# Altium PCB LimeSDR-X3_1v0.PcbDoc (part 20 of 25) (continued)
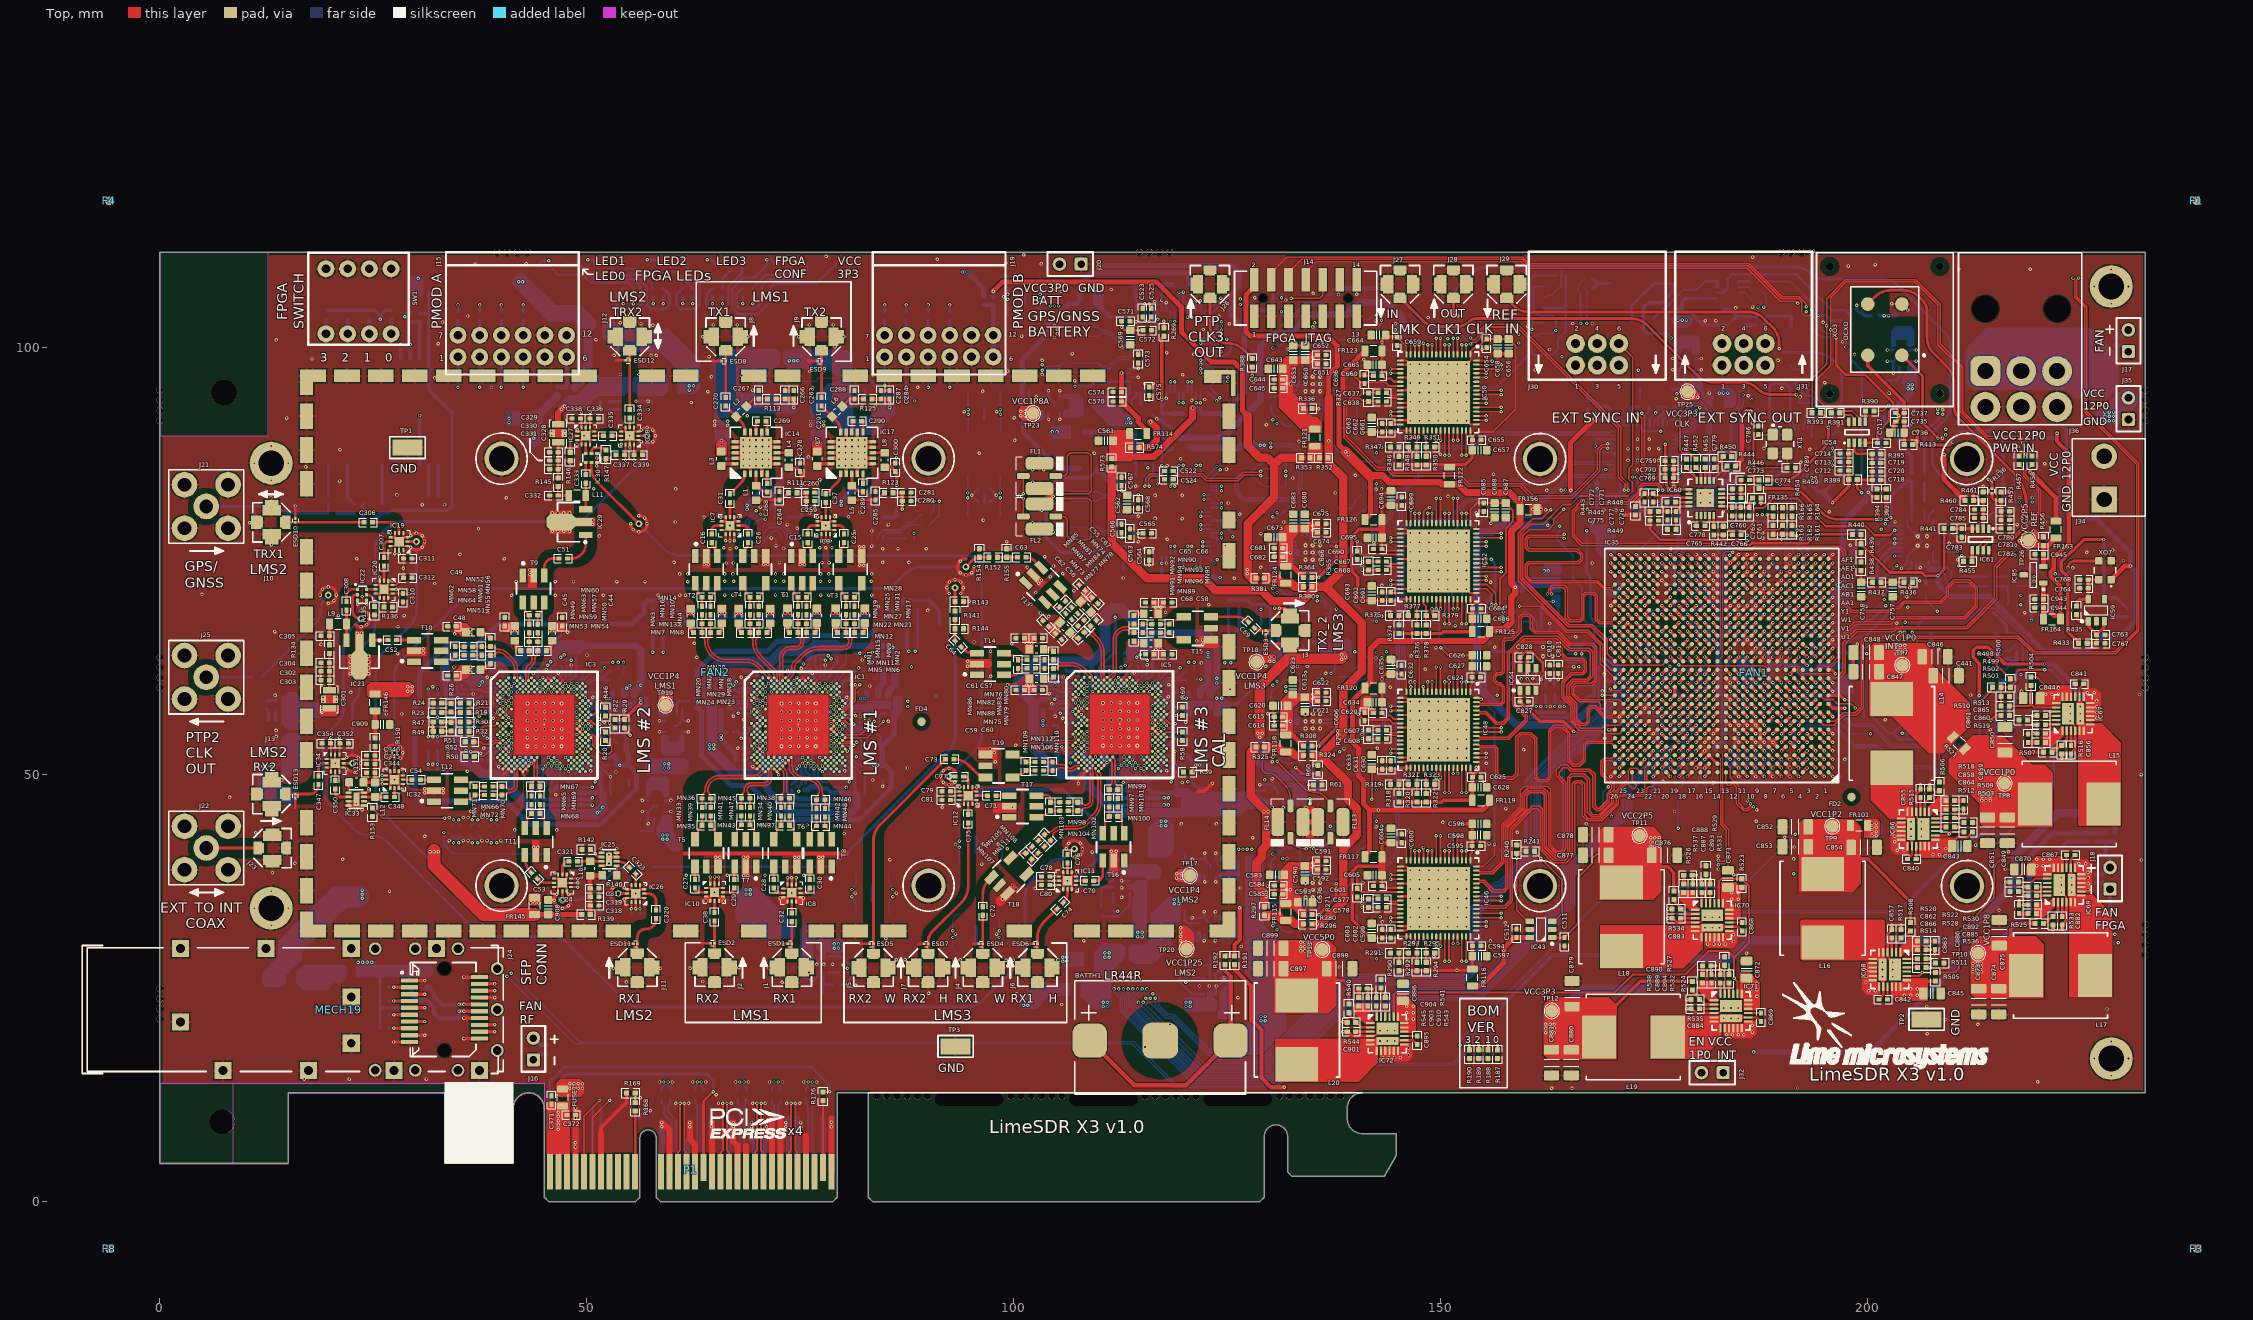
[diagram p0: Top view]
## Nets (pads, with @x,y where several pads share a name; then routed paths per layer and width w, separated by ;. In a path a pad name is that pad's centre, name@x,y a point inside that pad or via, vN(x,y) a via of type N, cw(c..) or ccw(c..) an arc to the next point about the centre after c; other vN are vias at no path point) (continued)
  Bottom w0.25: C366.2@62.65,12.95 62.65,13.4 62.9,13.65 v1(62.9,14)
PCIE_HSI0_IC_P: C365.2 IC35.D10 | length 146.6
  Top w0.4: IC35.D10@186.375,53.275 v1(186.875,52.775)
  L3 w0.1: v1(63.4,14) 63.4,13.941 63.25,13.791 63.25,13.45 63.45,13.25 63.975,13.25 64.5,13.775 64.5,14.425 67.8,17.725 137.55,17.725 143.425,23.6 160.536,23.6 174.836,37.9 177.467,37.9 185.275,45.708 185.275,49.117 185.275,52.033 185.617,52.375 186.475,52.375 v1(186.875,52.775)
  Bottom w0.25: v1(63.4,14) 63.4,13.65 63.65,13.4 C365.2@63.65,12.95
PCIE_HSI0_N: C365.1 P1.A17 | length 8.7
  Bottom w0.25: P1.A17@63.65,3.5 63.65,5.75 63.4,6 63.4,11.25 63.65,11.5 C365.1@63.65,11.95
PCIE_HSI0_P: C366.1 P1.A16 | length 8.7
  Bottom w0.25: P1.A16@62.65,3.5 62.65,5.75 62.9,6 62.9,11.25 62.65,11.5 C366.1@62.65,11.95
PCIE_HSI1_IC_N: C364.2 IC35.A9 | length 146.7
  Top w0.4: IC35.A9@187.375,50.275 v1(187.875,49.775)
  L3 w0.1: v1(67.9,14) 67.9,13.941 68.05,13.791 68.05,12.492 68.442,12.1 69.058,12.1 69.475,12.517 69.475,15.817 70.058,16.4 139.383,16.4 142.333,19.35 158.458,19.35 175.308,36.2 179.058,36.2 179.833,36.975 180.715,36.975 180.741,36.975 181.125,37.359 181.125,39.6 184.65,43.125 186.89,43.125 187.9,44.135 187.9,44.507 187.525,44.882 187.525,45.3 187.9,45.675 187.9,45.925 187.525,46.3 187.525,46.55 187.925,46.95 187.925,47.2 187.525,47.6 187.525,47.92 187.75,48.145 187.75,48.4 187.525,48.625 187.525,49.425 v1(187.875,49.775)
  Bottom w0.25: C364.2@67.65,12.95 67.65,13.4 67.9,13.65 v1(67.9,14)
PCIE_HSI1_IC_P: C363.2 IC35.B9 | length 146
  Top w0.4: IC35.B9@187.375,51.275 v1(187.875,50.775)
  L3 w0.1: v1(68.4,14) 68.4,13.941 68.25,13.791 68.25,12.575 68.525,12.3 68.975,12.3 69.275,12.6 69.275,15.9 69.975,16.6 139.3,16.6 142.25,19.55 148.717,19.55 158.375,19.55 175.225,36.4 178.975,36.4 179.75,37.175 180.659,37.175 180.925,37.441 180.925,39.683 184.567,43.325 186.807,43.325 187.325,43.843 187.325,49.72 187.875,50.27 v1(187.875,50.775)
  Bottom w0.25: v1(68.4,14) 68.4,13.65 68.65,13.4 C363.2@68.65,12.95
PCIE_HSI1_N: C363.1 P1.A22 | length 8.7
  Bottom w0.25: P1.A22@68.65,3.5 68.65,5.75 68.4,6 68.4,11.25 68.65,11.5 C363.1@68.65,11.95
PCIE_HSI1_P: C364.1 P1.A21 | length 8.7
  Bottom w0.25: P1.A21@67.65,3.5 67.65,5.75 67.9,6 67.9,11.25 67.65,11.5 C364.1@67.65,11.95
PCIE_HSI2_IC_N: C362.2 IC35.C8 | length 148.2
  Top w0.4: IC35.C8@188.375,52.275 v1(188.875,51.775)
  L3 w0.1: v1(71.9,14) 71.9,14.059 72.05,14.209 72.05,14.95 72.6,15.5 160,15.5 179.375,34.875 182.616,34.875 182.825,35.084 182.825,36.933 183.225,37.333 183.342,37.45 183.992,37.45 184.7,38.158 184.7,41.858 185.167,42.325 186.008,42.325 186.425,41.908 186.675,41.658 186.675,41.108 186.958,40.825 187.525,40.825 188.525,41.825 188.525,48.233 189.3,49.008 189.3,51.133 189.517,51.35 190.1,51.35 190.3,51.55 190.3,51.95 190.075,52.175 189.275,52.175 v1(188.875,51.775)
  Bottom w0.25: C362.2@71.65,12.95 71.65,13.4 71.9,13.65 v1(71.9,14)
PCIE_HSI2_IC_P: C361.2 IC35.D8 | length 148.5
  Top w0.4: IC35.D8@188.375,53.275 v1(188.875,52.775)
  L3 w0.1: v1(72.4,14) 72.4,14.059 72.25,14.209 72.25,14.867 72.683,15.3 160.083,15.3 179.458,34.675 182.699,34.675 183.025,35.001 183.025,36.85 183.425,37.25 184.075,37.25 184.9,38.075 184.9,41.775 185.25,42.125 185.925,42.125 186.475,41.575 186.475,41.025 186.875,40.625 187.608,40.625 188.725,41.742 188.725,48.15 189.5,48.925 189.5,51.05 189.6,51.15 190.183,51.15 190.5,51.467 190.5,52.033 190.158,52.375 189.275,52.375 v1(188.875,52.775)
  Bottom w0.25: v1(72.4,14) 72.4,13.65 72.65,13.4 C361.2@72.65,12.95
PCIE_HSI2_N: C361.1 P1.A26 | length 8.7
  Bottom w0.25: P1.A26@72.65,3.5 72.65,5.75 72.4,6 72.4,11.25 72.65,11.5 C361.1@72.65,11.95
PCIE_HSI2_P: C362.1 P1.A25 | length 8.7
  Bottom w0.25: P1.A25@71.65,3.5 71.65,5.75 71.9,6 71.9,11.25 71.65,11.5 C362.1@71.65,11.95
PCIE_HSI3_IC_N: C360.2 IC35.A7 | length 145.8
  Top w0.4: IC35.A7@189.375,50.275 v1(189.875,49.775)
  L3 w0.1: v1(75.9,14) 75.9,14.059 76.05,14.209 76.05,14.533 76.417,14.9 160.677,14.9 179.749,33.972 183.155,33.972 185.089,33.972 186.8,35.683 186.8,36.4 186.625,36.575 185.617,36.575 185.225,36.967 185.225,37.708 185.592,38.075 185.892,38.375 189.1,38.375 189.5,38.775 189.5,39.125 188.625,40 188.625,40.758 189.4,41.533 189.4,43.108 190.025,43.733 190.025,44.325 189.225,45.125 189.225,47.075 189.225,47.333 189.592,47.7 189.85,47.7 191.05,47.7 191.275,47.925 191.275,49.975 191.075,50.175 190.275,50.175 v1(189.875,49.775)
  Bottom w0.25: C360.2@75.65,12.95 75.65,13.4 75.9,13.65 v1(75.9,14)
PCIE_HSI3_IC_P: C359.2 IC35.B7 | length 146.1
  Top w0.4: IC35.B7@189.375,51.275 v1(189.875,50.775)
  L3 w0.1: v1(76.4,14) 76.4,14.059 76.25,14.209 76.25,14.45 76.5,14.7 160.76,14.7 179.832,33.772 185.172,33.772 187,35.6 187,36.175 187,36.483 186.708,36.775 186.4,36.775 185.7,36.775 185.425,37.05 185.425,37.625 185.975,38.175 189.183,38.175 189.7,38.692 189.7,39.208 189.475,39.433 188.825,40.083 188.825,40.675 189.6,41.45 189.6,43.025 190.225,43.65 190.225,44.408 189.425,45.208 189.425,47.25 189.675,47.5 191.133,47.5 191.475,47.842 191.475,50.058 191.158,50.375 190.275,50.375 v1(189.875,50.775)
  Bottom w0.25: v1(76.4,14) 76.4,13.65 76.65,13.4 C359.2@76.65,12.95
PCIE_HSI3_N: C359.1 P1.A30 | length 8.7
  Bottom w0.25: P1.A30@76.65,3.5 76.65,5.75 76.4,6 76.4,11.25 76.65,11.5 C359.1@76.65,11.95
PCIE_HSI3_P: C360.1 P1.A29 | length 8.7
  Bottom w0.25: P1.A29@75.65,3.5 75.65,5.75 75.9,6 75.9,11.25 75.65,11.5 C360.1@75.65,11.95
PCIE_HSO0_N: IC35.C12 P1.B15 | length 155.1
  Top w0.25: v1(61.4,11.5) 61.4,6 61.65,5.75 P1.B15@61.65,3.5
  Top w0.4: IC35.C12@184.375,52.275 v1(184.875,51.775)
  L3 w0.1: v1(61.4,11.5) 61.4,11.559 61.25,11.709 61.25,13.75 65.95,18.45 135.283,18.45 140.683,23.85 159.825,23.85 174.425,38.45 177.5,38.45 184.525,45.475 184.525,45.785 184.9,46.16 184.9,46.507 184.525,46.882 184.525,47.3 184.9,47.675 184.9,47.925 184.525,48.3 184.525,48.55 184.925,48.95 184.925,49.2 184.525,49.6 184.525,49.92 184.75,50.145 184.75,50.4 184.525,50.625 184.525,51.425 v1(184.875,51.775)
PCIE_HSO0_P: IC35.D12 P1.B14 | length 155.1
  Top w0.25: P1.B14@60.65,3.5 60.65,5.75 60.9,6 v1(60.9,11.5)
  Top w0.4: IC35.D12@184.375,53.275 v1(184.875,52.775)
  L3 w0.1: v1(60.9,11.5) 60.9,11.559 61.05,11.709 61.05,13.833 65.867,18.65 135.2,18.65 140.6,24.05 159.742,24.05 174.342,38.65 177.417,38.65 184.325,45.558 184.325,51.72 184.875,52.27 v1(184.875,52.775)
PCIE_HSO1_N: IC35.A13 P1.B20 | length 151.9
  Top w0.15: IC35.A13@183.375,50.275 183.375,49 183.6,48.775 183.875,48.775 184.025,48.925 184.246,48.925 184.6,48.571 184.6,46.585 185.435,45.75 185.935,45.75 186.379,46.194 186.556,46.194 v1(186.604,46.241)
  Top w0.25: v1(66.4,11.5) 66.4,6 66.65,5.75 P1.B20@66.65,3.5
  L3 w0.1: v1(66.4,11.5) 66.4,11.559 66.25,11.709 66.25,13.734 69.466,16.95 138.833,16.95 142.383,20.5 147.6,20.5 149.375,22.275 160.433,22.275 175.158,37 177.808,37 186,45.192 186,45.85 186.35,46.2 186.562,46.2 v1(186.604,46.241)
PCIE_HSO1_P: IC35.B13 P1.B19 | length 152
  Top w0.15: IC35.B13@183.375,51.275 183.85,50.8 183.85,49.675 184.85,48.675 184.85,46.689 185.539,46 185.832,46 186.202,46.37 186.202,46.547 v1(186.25,46.595)
  Top w0.25: P1.B19@65.65,3.5 65.65,5.75 65.9,6 v1(65.9,11.5)
  L3 w0.1: v1(65.9,11.5) 65.9,11.559 66.05,11.709 66.05,13.817 69.383,17.15 138.75,17.15 142.3,20.7 147.517,20.7 149.292,22.475 160.35,22.475 175.075,37.2 177.725,37.2 185.8,45.275 185.8,45.933 186.209,46.341 186.209,46.554 v1(186.25,46.595)
PCIE_HSO2_N: IC35.C14 P1.B24 | length 150
  Top w0.1: IC35.C14@182.375,52.275 182.775,51.875 182.775,49.05 182.75,49.025
  Top w0.15: v1(182.491,39.95) 182.559,39.95 182.684,39.825 183.1,39.825 183.425,40.15 183.425,43.496 182.75,44.171 182.75,49.025
  Top w0.25: v1(70.4,11.5) 70.4,6 70.65,5.75 P1.B24@70.65,3.5
  L3 w0.1: v1(70.4,11.5) 70.4,11.559 70.25,11.709 70.25,14.042 72.108,15.9 140.325,15.9 142.093,17.667 142.275,17.85 144.975,17.85 145.8,18.675 158.908,18.675 175.708,35.475 179.283,35.475 180.133,36.325 181.15,36.325 183.575,38.75 183.575,39.483 183.258,39.8 182.7,39.8 182.55,39.95 v1(182.491,39.95)
PCIE_HSO2_P: IC35.D14 P1.B23 | length 151.1
  Top w0.1: IC35.D14@182.375,53.275 182.975,52.675 182.975,49.05 183,49.025
  Top w0.15: v1(182.491,39.45) 182.559,39.45 182.684,39.575 183.204,39.575 183.675,40.046 183.675,43.6 183,44.275 183,49.025
  Top w0.25: P1.B23@69.65,3.5 69.65,5.75 69.9,6 v1(69.9,11.5)
  L3 w0.1: v1(69.9,11.5) 69.9,11.559 70.05,11.709 70.05,14.125 72.025,16.1 140.243,16.1 142.01,17.867 142.193,18.05 144.892,18.05 145.717,18.875 158.825,18.875 175.625,35.675 179.2,35.675 180.05,36.525 181.067,36.525 183.375,38.833 183.375,39.4 183.175,39.6 182.7,39.6 182.55,39.45 v1(182.491,39.45)
PCIE_HSO3_N: IC35.A11 P1.B28 | length 161.2
  Top w0.25: v1(74.4,11.5) 74.4,6 74.65,5.75 P1.B28@74.65,3.5
  Top w0.4: IC35.A11@185.375,50.275 v1(185.875,49.775)
  L3 w0.1: v1(74.4,11.5) 74.4,11.441 74.25,11.291 74.25,10.8 74.45,10.6 75.017,10.6 78.642,14.225 161.417,14.225 178.392,31.2 183.042,31.2 190.7,38.858 190.7,46.325 192.3,47.925 192.3,50.975 192.1,51.175 191.625,51.175 191.275,51.525 191.275,52.275 190.9,52.65 190.542,52.65 190.017,53.175 187.675,53.175 187.525,53.025 187.525,50.542 187.158,50.175 186.275,50.175 v1(185.875,49.775)
PCIE_HSO3_P: IC35.B11 P1.B27 | length 162.2
  Top w0.25: P1.B27@73.65,3.5 73.65,5.75 73.9,6 v1(73.9,11.5)
  Top w0.4: IC35.B11@185.375,51.275 v1(185.875,50.775)
  L3 w0.1: v1(73.9,11.5) 73.9,11.441 74.05,11.291 74.05,10.717 74.367,10.4 75.1,10.4 78.725,14.025 161.5,14.025 178.475,31 182.758,31 183.125,31 190.9,38.775 190.9,46.242 192.5,47.842 192.5,51.058 192.183,51.375 191.708,51.375 191.475,51.608 191.475,52.358 190.983,52.85 190.625,52.85 190.1,53.375 187.592,53.375 187.325,53.108 187.325,50.625 187.075,50.375 186.275,50.375 v1(185.875,50.775)
PCIE_PERSTn: IC35.R23 P1.A11 | length 183
  Top w0.4: v1(172.875,64.775) IC35.R23@173.375,64.275
  L3 w0.1: v1(56.9,10.65) 57.275,11.025 57.275,13.5 63.35,19.575 134.083,19.575 140.333,25.825 159.508,25.825 173.483,39.8 175.656,39.8 183.25,47.394 183.25,49.835 182.825,50.26 182.825,55.025 182.45,55.4 182.45,59.983 182.108,60.325 181.668,60.325 181.425,60.568 181.425,62.558 182.65,63.783 182.65,66.495 182.02,67.125 180.72,67.125 179.92,66.325 178.017,66.325 177.017,65.325 174.486,65.325 174.186,65.025 173.125,65.025 v1(172.875,64.775)
  Bottom w0.325: P1.A11@55.65,3.5 55.65,9.4 v1(56.9,10.65)
PCIE_PRSNT1n: P1.A1 R175.1 R176.1 | length 45.9
  Top w0.325: R176.1@77.65,12.85 v1(78.425,12.85)
  Bottom w0.325: P1.A1@45.65,4 45.65,14.025 47.375,15.75 76.275,15.75 78.425,13.6 v1(78.425,12.85)
PCIE_PRSNT2n_x1: P1.B17 R175.2 | length 30.2
  Top w0.325: P1.B17@63.65,4 63.65,11.75 v1(64.775,12.875)
  Bottom w0.325: R175.2@46.6,13.263 46.6,13.925 47.625,14.95 64.025,14.95 64.775,14.2 v1(64.775,12.875)
PCIE_PRSNT2n_x4: P1.B31 R176.2 | length 7.9
  Top w0.325: P1.B31@77.65,4 R176.2@77.65,11.85
PCIE_REFCLK_IC_N: C358.1 IC35.E11 | length 152.1
  Top w0.4: IC35.E11@185.375,54.275 v1(185.875,53.775)
  L3 w0.1: v1(59.5,14) 59.5,14.059 59.35,14.209 59.35,14.55 63.775,18.975 134.683,18.975 141.058,25.35 160.133,25.35 173.908,39.125 176.083,39.125 182.775,45.817 183.775,46.817 183.775,50.4 183.275,50.9 183.275,55.017 183.433,55.175 184.042,55.175 184.325,54.892 184.325,54.492 184.642,54.175 185.475,54.175 v1(185.875,53.775)
  Bottom w0.25: v1(59.5,14) 59.5,13.65 59.75,13.4 C358.1@59.75,12.95
PCIE_REFCLK_IC_P: C357.1 IC35.F11 | length 152.5
  Top w0.4: IC35.F11@185.375,55.275 v1(185.875,54.775)
  L3 w0.1: v1(59,14) 59,14.059 59.15,14.209 59.15,14.633 63.692,19.175 134.6,19.175 140.975,25.55 160.05,25.55 173.825,39.325 176,39.325 183.575,46.9 183.575,50.317 183.075,50.817 183.075,55.1 183.35,55.375 184.125,55.375 184.525,54.975 184.525,54.575 184.725,54.375 185.475,54.375 v1(185.875,54.775)
  Bottom w0.25: C357.1@58.75,12.95 58.75,13.4 59,13.65 v1(59,14)
PCIE_REFCLK_N: C358.2 P1.A14 | length 9
  Bottom w0.25: C358.2@59.75,11.95 59.75,11.5 59.5,11.25 59.5,10.457 60.4,9.557 60.4,6 60.65,5.75 P1.A14@60.65,3.5
PCIE_REFCLK_P: C357.2 P1.A13 | length 9
  Bottom w0.25: C357.2@58.75,11.95 58.75,11.5 59,11.25 59,10.25 59.9,9.35 59.9,6 59.65,5.75 P1.A13@59.65,3.5
PCIE_SMCLK: IC35.R22 P1.B5 | length 186.7
  Top w0.25: P1.B5@49.65,3.5 49.65,10 v1(51.525,11.875)
  Top w0.4: v1(173.975,64.675) IC35.R22@174.375,64.275
  L3 w0.1: v1(51.525,11.875) 52.2,11.2 55.8,11.2 56.7,12.1 56.7,13.45 63.025,19.775 64.645,19.775 134,19.775 140.25,26.025 159.425,26.025 173.4,40 175.574,40 179.218,43.644 183.05,47.476 183.05,49.733 182.625,50.158 182.625,54.942 182.25,55.317 182.25,59.9 182.025,60.125 181.586,60.125 181.225,60.486 181.225,62.64 182.45,63.865 182.45,65.978 182.103,66.325 180.65,66.325 ; v1@173.875,64.775 174.275,64.775 174.625,65.125 177.1,65.125 178.1,66.125 180.447,66.125 180.647,66.325 180.65,66.325
PCIE_SMDAT: IC35.T23 P1.B6 | length 179.8
  Top w0.25: P1.B6@50.65,3.5 50.65,9.85 v1(52.662,11.862)
  Top w0.4: v1(172.875,65.775) IC35.T23@173.375,65.275
  L3 w0.1: v1(52.662,11.862) 53.737,11.862 62.275,20.4 133.55,20.4 139.675,26.525 158.651,26.525 172.801,40.675 175.683,40.675 182.65,47.642 182.65,49.425 182.225,49.85 182.225,53.93 181.425,54.73 181.425,55.003 181.25,55.178 181.25,59.895 181.02,60.125 180.525,60.125 180.225,60.425 180.225,61.92 179.635,62.51 176.99,62.51 v1(176.825,62.675)
  Bottom w0.15: v1(172.875,65.775) 172.875,65.375 173.4,64.85 173.4,64.543 173.718,64.225 174.1,64.225 174.385,63.94 174.385,63.59 174.625,63.35 176.15,63.35 v1(176.825,62.675)
PCIE_WAKEn: IC35.R18 R168.1 R169.1 | length 170.5
  Top w0.325: R168.1@55.65,11.6 v1(55.65,12.15) R169.1@55.65,12.7
  Top w0.4: v1(177.875,64.775) IC35.R18@178.375,64.275
  L3 w0.1: v1(55.65,12.15) 55.65,13.1 62.75,20.2 133.633,20.2 139.758,26.325 158.734,26.325 172.884,40.475 175.766,40.475 179.135,43.844 182.85,47.559 182.85,49.65 182.425,50.075 182.425,54.73 181.5,55.655 181.5,59.928 181.078,60.35 180.7,60.35 180.425,60.625 180.425,62.123 182.25,63.948 182.25,65.895 182.02,66.125 180.733,66.125 180.73,66.125 180.525,65.92 180.525,64.9 180.05,64.425 178.225,64.425 v1(177.875,64.775)
PD_LMS2_BB_ADC1_DRV: IC35.W14 IC47.14 IC47.20 R280.1 | length 206.1
  Top w0.4: R280.1@134.9,33.6 v1(135.675,33.6) 137.75,35.675 v1(137.75,37.25) ; v1(181.875,68.775) IC35.W14@182.375,68.275
  L8 w0.1: v1(181.875,68.775) 181.475,69.175 181.475,72.87 181.73,73.125 181.75,73.125 182.75,74.125 184.15,74.125 184.45,73.825 184.45,72.705 184.73,72.425 186.042,72.425 187.042,73.425 188.975,73.425 189.375,73.025 189.375,72.78 190.73,71.425 193.02,71.425 193.559,71.964 194.92,73.325 197.65,73.325 201.3,69.675 201.3,68.95 203.025,67.225 204.3,67.225 204.625,66.9 204.625,66.422 204.947,66.1 212.8,66.1 216.3,62.6 216.3,51.825 223.2,44.925 223.2,31.316 217.159,25.275 207.325,25.275 203.275,29.325 200.4,29.325 v1(191.325,38.4)
  L6 w0.1: v1(135.675,33.6) 135.2,33.6 134.525,32.925 134.525,31.55 135.9,30.175 135.9,28.55 141.9,22.55 143.35,22.55 148.2,17.7 170.55,17.7 181.775,28.925 184.025,28.925 185.3,30.2 185.3,32.375 v1(191.325,38.4)
  Bottom w0.254: IC47.14@137,37.25 v1(137.75,37.25)
  Bottom w0.3: v1(135.675,33.6) 135.75,33.675 IC47.20@135.75,34.5
PD_LMS2_BB_ADC2_DRV: IC35.W15 IC49.14 IC49.20 R308.1 | length 195
  Top w0.4: R308.1@134.9,53.35 v1(135.675,53.35) 137.75,55.425 v1(137.75,57) ; v1(180.875,68.775) IC35.W15@181.375,68.275
  L4 w0.1: v1(105.25,104.875) 104.65,104.275 104.65,103.592 102.125,101.067 102.125,89.075 107.275,83.925 107.275,75.025 115.375,66.925 117.825,66.925 118.65,66.1 122.248,66.1 123.123,65.225 130.05,65.225 131.35,63.925 131.35,61.425 134.35,58.425 136.325,58.425 v1(137.75,57)
  L8 w0.1: v1(105.25,104.875) 110.1,104.875 110.825,105.6 113.416,105.6 114.691,106.875 118.325,106.875 118.75,107.3 122.837,107.3 123.662,108.125 123.908,108.125 133.783,108.125 134.208,107.7 141.566,107.7 142.141,107.125 169.158,107.125 169.201,107.125 175.375,100.951 175.375,94.358 174.6,93.583 174.6,90.283 175.433,89.45 178.199,89.45 181.375,86.274 181.375,84.109 181,83.734 181,81.45 177.525,77.975 177.525,73.213 177.325,73.013 177.325,72.547 177.672,72.2 177.945,72.2 180.275,69.87 180.275,69.375 v1(180.875,68.775)
  Bottom w0.254: IC49.14@137,57 v1(137.75,57)
  Bottom w0.3: v1(135.675,53.35) 135.75,53.425 IC49.20@135.75,54.25
PD_LMS3_BB_ADC1_DRV: IC35.W16 IC51.14 IC51.20 R336.1 | length 98.3
  Top w0.4: R336.1@134.9,92.85 v1(135.675,92.85) ; v1(179.875,68.775) IC35.W16@180.375,68.275
  L8 w0.1: v1(135.2,102.9) 137.65,102.9 140.875,106.125 168.275,106.125 169.918,106.125 175.175,100.868 175.175,94.441 174.4,93.666 174.4,90.2 175.35,89.25 178.116,89.25 181.175,86.191 181.175,84.192 180.8,83.817 180.8,81.533 177.325,78.058 177.325,73.296 177.125,73.096 177.125,72.03 179.3,69.855 179.3,69.411 179.875,68.836 v1(179.875,68.775)
  L6 w0.1: v1(135.2,102.9) 137.75,100.35 v1(137.75,96.5) 137.75,94.925 v1(135.675,92.85)
  Bottom w0.254: IC51.14@137,96.5 v1(137.75,96.5)
  Bottom w0.3: v1(135.675,92.85) 135.75,92.925 IC51.20@135.75,93.75
PD_LMS3_BB_ADC2_DRV: IC35.AD18 IC53.14 IC53.20 R364.1 | length 87.7
  Top w0.4: R364.1@134.9,73.1 v1(135.675,73.1) 137.75,75.175 v1(137.75,76.75) ; v1(177.875,73.775) IC35.AD18@178.375,73.275
  L10 w0.1: v1(137.75,76.75) 145.125,84.125 168.55,84.125 171.8,87.375 178.3,87.375 v1(185.375,94.45)
  Bottom w0.15: v1(177.875,73.775) 178.275,74.175 178.275,79.813 179.387,80.925 181.53,80.925 182.225,81.62 182.225,86.25 184.05,88.075 184.05,91.946 185.375,93.271 v1(185.375,94.45)
  Bottom w0.254: IC53.14@137,76.75 v1(137.75,76.75)
  Bottom w0.3: v1(135.675,73.1) 135.75,73.175 IC53.20@135.75,74
PG_VCC1P0: IC67.21 R497.2 R498.1 | length 17.4
  Top w0.25: v1(213.3,58.65) 214.4,59.75 214.4,60.05 R498.1@214.575,60.225 ; v1(221.325,57.375) IC67.21@222.025,57.375
  Bottom w0.25: v1(213.3,58.65) 213.075,58.425 213.075,54.7 213.775,54 215.55,54 218.925,57.375 v1(221.325,57.375) R497.2@221.925,57.375
PG_VCC1P0_INT: IC66.21 R501.2 | length 18.6
  Top w0.25: IC66.21@207.9,43.375 v1(208.6,43.375)
  Top w0.3: v1(214.4,56.375) 214.95,56.925 R501.2@215.575,56.925
  L6 w0.3: v1(208.6,43.375) 209.6,44.375 211.4,44.375 212.45,45.425 212.45,54.425 v1(214.4,56.375)
PMOD_A_PIN1: IC35.R25 R193.1 | length 271.9
  Top w0.4: v1(170.875,64.775) IC35.R25@171.375,64.275
  L4 w0.1: v1(34.896,95.354) 34.896,94.052 11.525,70.681 11.525,57.754 8.716,54.945 8.716,49.184 13.6,44.3 16.292,44.3 18.217,42.375 26.696,42.375 37.346,31.725 82.666,31.725 84.341,30.05 104.475,30.05 106.875,32.45 112.633,32.45 113.958,33.775 116.628,33.775 118.578,35.725 125.078,35.725 125.503,35.3 127.458,35.3 127.466,35.3 128.466,34.3 133.141,34.3 133.366,34.075 136.975,34.075 138.8,35.9 143.917,35.9 144.942,34.875 153.792,34.875 154.017,34.65 158.25,34.65 159.35,33.55 163.775,33.55 179.7,49.475 179.7,50.058 180.25,50.608 180.25,55.325 180.475,55.55 180.475,60.67 179.525,61.62 179.525,62.064 178.364,63.225 176.658,63.225 174.93,63.225 173.73,64.425 171.225,64.425 v1(170.875,64.775)
  Bottom w0.3: v1(34.896,95.354) R193.1@34.896,96.15
PMOD_A_PIN2: IC35.P23 R201.1 | length 269.6
  Top w0.4: v1(172.875,63.775) IC35.P23@173.375,63.275
  L4 w0.1: v1(37.439,95.354) 36.481,95.354 11.725,70.598 11.725,57.671 8.916,54.862 8.916,49.267 13.683,44.5 16.375,44.5 18.3,42.575 26.779,42.575 37.429,31.925 82.749,31.925 84.424,30.25 104.392,30.25 106.792,32.65 112.55,32.65 113.875,33.975 116.545,33.975 118.495,35.925 125.161,35.925 125.586,35.5 127.541,35.5 127.549,35.5 128.549,34.5 133.224,34.5 133.449,34.275 136.892,34.275 138.717,36.1 144,36.1 145.025,35.075 153.875,35.075 154.1,34.85 158.333,34.85 159.433,33.75 163.692,33.75 179.475,49.533 179.475,54.875 180.275,55.675 180.275,59.87 178.425,61.72 178.425,62.003 178.103,62.325 176.4,62.325 176,62.725 173.925,62.725 v1(172.875,63.775)
  Bottom w0.3: v1(37.439,95.354) R201.1@37.439,96.15
PMOD_A_PIN3: IC35.P21 R203.1 | length 274.6
  Top w0.4: v1(174.875,63.775) IC35.P21@175.375,63.275
  L4 w0.1: v1(39.982,95.354) 39.586,95.75 34.789,95.75 34.525,95.486 34.525,93.964 11.325,70.764 11.325,57.836 8.516,55.028 8.516,49.098 13.514,44.1 16.209,44.1 18.134,42.175 26.614,42.175 37.264,31.525 82.583,31.525 84.258,29.85 104.575,29.85 106.975,32.25 112.725,32.25 114.05,33.575 116.711,33.575 117.286,34.15 119.784,34.15 121.159,35.525 124.983,35.525 125.408,35.1 127.375,35.1 127.383,35.1 128.383,34.1 133.058,34.1 133.983,33.175 136.417,33.175 137.192,33.95 138.317,33.95 153.75,33.95 154.2,34.4 158.083,34.4 159.208,33.275 163.783,33.275 179.9,49.392 179.9,49.975 180.475,50.55 180.475,54.875 181.275,55.675 181.275,60.87 180.995,61.15 180.55,61.15 180.25,61.45 180.25,61.895 180.02,62.125 179.747,62.125 178.447,63.425 175.225,63.425 v1(174.875,63.775)
  Bottom w0.3: v1(39.982,95.354) R203.1@39.982,96.15
PMOD_A_PIN4: IC35.P19 R207.1 | length 276.8
  Top w0.4: v1(176.875,63.775) IC35.P19@177.375,63.275
  L4 w0.1: v1(42.525,95.354) 40.575,95.354 39.979,95.95 34.706,95.95 34.325,95.569 34.325,94.047 11.125,70.847 11.125,57.919 8.316,55.111 8.316,49.015 13.431,43.9 16.126,43.9 18.051,41.975 26.531,41.975 37.181,31.325 82.5,31.325 84.175,29.65 104.658,29.65 107.058,32.05 112.808,32.05 114.133,33.375 116.794,33.375 117.369,33.95 119.867,33.95 121.242,35.325 124.9,35.325 125.325,34.9 127.3,34.9 128.3,33.9 132.975,33.9 133.9,32.975 136.5,32.975 137.275,33.75 153.833,33.75 154.283,34.2 158,34.2 159.125,33.075 163.9,33.075 180.525,49.7 180.525,49.92 181.225,50.62 181.225,55.325 181.475,55.575 181.475,60.953 181.078,61.35 180.633,61.35 180.45,61.533 180.45,61.978 180.103,62.325 179.83,62.325 178.03,64.125 177.575,64.125 177.225,63.775 v1(176.875,63.775)
  Bottom w0.3: v1(42.525,95.354) R207.1@42.525,96.15
PMOD_A_PIN7: IC35.R20 R194.2 | length 288.4
  Top w0.4: v1(175.875,64.775) IC35.R20@176.375,64.275
  L4 w0.1: v1(34.896,104.996) 34.896,103.289 33.725,102.117 33.725,94.295 10.525,71.095 10.525,58.168 7.716,55.359 7.716,48.767 13.183,43.3 15.878,43.3 17.803,41.375 26.282,41.375 36.932,30.725 82.251,30.725 83.926,29.05 104.906,29.05 107.306,31.45 113.056,31.45 114.381,32.775 117.042,32.775 117.617,33.35 120.116,33.35 121.491,34.725 124.634,34.725 126.509,32.85 131.283,32.85 132.883,31.25 136.767,31.25 138.192,32.675 140.709,32.675 142.184,31.2 163.95,31.2 171.425,38.675 174.875,38.675 182.725,46.525 182.725,59.693 182.95,59.918 182.95,62.195 181.02,64.125 179.675,64.125 179.25,64.55 179.25,65.025 179.15,65.125 178.747,65.125 178.325,65.547 178.325,65.55 178.275,65.6 177.483,65.6 177.008,65.125 176.225,65.125 v1(175.875,64.775)
  Bottom w0.3: R194.2@34.896,104.2 v1(34.896,104.996)
PMOD_A_PIN8: IC35.R21 R202.2 | length 293.7
  Top w0.4: v1(174.875,64.775) IC35.R21@175.375,64.275
  L4 w0.1: v1(37.439,104.996) 37.086,105.35 34.725,105.35 34.475,105.1 34.475,103.15 33.525,102.2 33.525,94.378 10.325,71.178 10.325,58.251 7.516,55.442 7.516,48.684 13.1,43.1 15.795,43.1 17.72,41.175 26.199,41.175 36.849,30.525 82.169,30.525 83.844,28.85 104.989,28.85 107.389,31.25 113.139,31.25 114.464,32.575 117.125,32.575 117.7,33.15 120.199,33.15 121.574,34.525 124.551,34.525 126.426,32.65 131.2,32.65 132.8,31.05 136.85,31.05 138.275,32.475 140.626,32.475 142.101,31 164.033,31 171.508,38.475 174.958,38.475 182.925,46.442 182.925,59.61 183.15,59.835 183.15,62.278 181.103,64.325 179.758,64.325 179.45,64.633 179.45,65.108 179.233,65.325 178.83,65.325 178.525,65.63 178.525,65.633 178.358,65.8 177.4,65.8 176.925,65.325 175.425,65.325 v1(174.875,64.775)
  Bottom w0.3: R202.2@37.439,104.2 v1(37.439,104.996)
PMOD_A_PIN9: IC35.P15 R204.2 | length 283.5
  Top w0.4: v1(180.875,63.775) IC35.P15@181.375,63.275
  L4 w0.1: v1(39.982,104.996) 37.836,102.85 36.95,102.85 36.125,102.025 36.125,98.108 33.925,95.908 33.925,94.212 10.725,71.012 10.725,58.085 7.916,55.276 7.916,48.849 13.266,43.5 15.961,43.5 17.886,41.575 26.365,41.575 37.015,30.925 82.334,30.925 84.009,29.25 104.824,29.25 107.224,31.65 112.974,31.65 114.181,32.858 114.299,32.975 116.959,32.975 117.534,33.55 120.033,33.55 121.408,34.925 124.717,34.925 126.592,33.05 131.366,33.05 132.966,31.45 136.684,31.45 138.109,32.875 140.792,32.875 142.267,31.4 163.867,31.4 171.342,38.875 174.792,38.875 182.525,46.608 182.525,59.776 182.7,59.951 182.7,62.025 180.95,63.775 v1(180.875,63.775)
  Bottom w0.3: R204.2@39.982,104.2 v1(39.982,104.996)
PMOD_A_PIN10: IC35.P16 R208.2 | length 286.3
  Top w0.4: v1(179.875,63.775) IC35.P16@180.375,63.275
  L4 w0.1: v1(42.525,104.996) 40.746,104.996 38.7,102.95 38.7,98.4 37.925,97.625 35.925,97.625 34.125,95.825 34.125,94.129 10.925,70.929 10.925,58.002 8.116,55.193 8.116,48.932 13.349,43.7 16.044,43.7 17.969,41.775 26.448,41.775 37.098,31.125 82.417,31.125 84.092,29.45 104.741,29.45 107.141,31.85 112.891,31.85 114.216,33.175 116.876,33.175 117.451,33.75 119.95,33.75 121.325,35.125 124.8,35.125 126.675,33.25 131.449,33.25 133.049,31.65 136.601,31.65 138.026,33.075 140.875,33.075 142.35,31.6 163.784,31.6 171.259,39.075 174.709,39.075 182.325,46.691 182.325,59.859 182.5,60.034 182.5,61.942 181.042,63.4 180.25,63.4 v1(179.875,63.775)
  Bottom w0.3: R208.2@42.525,104.2 v1(42.525,104.996)
PMOD_B_PIN1: IC35.L23 R220.1 | length 300.2
  Top w0.4: v1(172.875,59.775) IC35.L23@173.375,60.275
  L4 w0.1: v1(84.856,95.604) 84.852,95.6 80.575,95.6 80.1,96.075 73.428,96.075 72.103,97.4 51.722,97.4 50.522,96.2 45.767,96.2 43.342,93.775 36.892,93.775 14.675,71.558 14.675,58.558 10.375,54.258 10.375,49.791 14.207,45.959 16.979,45.959 18.904,44.034 27.383,44.034 38.033,33.384 105.447,33.384 106.114,34.05 110.759,34.05 111.559,34.85 112.658,34.85 113.183,35.375 113.278,35.375 115.965,35.375 117.915,37.325 118.766,37.325 121.1,37.325 121.95,38.175 137.25,38.175 138.875,39.8 156.818,39.8 157.018,39.6 166.95,39.6 176.3,48.95 176.3,55.4 176.5,55.6 176.5,59.1 176.2,59.4 174.745,59.4 174.02,60.125 173.225,60.125 v1(172.875,59.775)
  Bottom w0.3: v1(84.856,95.604) R220.1@84.856,96.15
PMOD_B_PIN2: IC35.M24 R223.1 | length 292.8
  Top w0.4: v1(171.875,60.775) IC35.M24@172.375,61.275
  L4 w0.1: v1(87.399,95.354) 87.045,95 80.775,95 79.9,95.875 73.345,95.875 72.02,97.2 51.805,97.2 50.605,96 45.85,96 43.425,93.575 36.975,93.575 14.875,71.475 14.875,58.475 10.575,54.175 10.575,49.874 14.29,46.159 17.062,46.159 18.987,44.234 27.466,44.234 38.116,33.584 105.364,33.584 106.031,34.25 110.676,34.25 111.476,35.05 112.575,35.05 113.1,35.575 115.882,35.575 117.832,37.525 118.849,37.525 121.017,37.525 121.867,38.375 121.892,38.375 137.167,38.375 138.792,40 156.35,40 158.825,42.475 v1(160.5,42.475)
  Bottom w0.15: v1(160.5,42.475) 160.5,49.25 165.275,54.025 165.771,54.025 167.793,56.046 167.793,56.052 168.891,57.15 168.896,57.15 169.025,57.279 169.025,57.9 171.875,60.75 v1(171.875,60.775)
  Bottom w0.3: v1(87.399,95.354) R223.1@87.399,96.15
PMOD_B_PIN3: IC35.M22 R226.1 | length 307.5
  Top w0.4: v1(173.875,60.775) IC35.M22@174.375,61.275
  L4 w0.1: v1(89.941,95.354) 89.02,96.275 73.511,96.275 72.186,97.6 51.639,97.6 50.439,96.4 45.684,96.4 43.259,93.975 36.809,93.975 14.45,71.616 14.45,58.651 10.15,54.351 10.15,49.733 14.149,45.734 16.886,45.734 18.811,43.809 27.29,43.809 37.94,33.159 105.541,33.159 106.232,33.85 110.842,33.85 111.642,34.65 112.776,34.65 112.851,34.725 113.001,34.874 113.301,35.175 113.361,35.175 116.048,35.175 117.998,37.125 118.683,37.125 121.2,37.125 122.025,37.95 137.308,37.95 138.933,39.575 138.968,39.575 156.725,39.575 156.925,39.375 167.275,39.375 176.5,48.6 176.5,54.905 177.3,55.705 177.3,59.845 177.02,60.125 176.375,60.125 176.075,60.425 174.575,60.425 174.225,60.775 v1(173.875,60.775)
  Bottom w0.3: v1(89.941,95.354) R226.1@89.941,96.15